# Altium PCB Austindetz_CM4_Board_v1.0.PcbDoc (part 3 of 6) (continued)
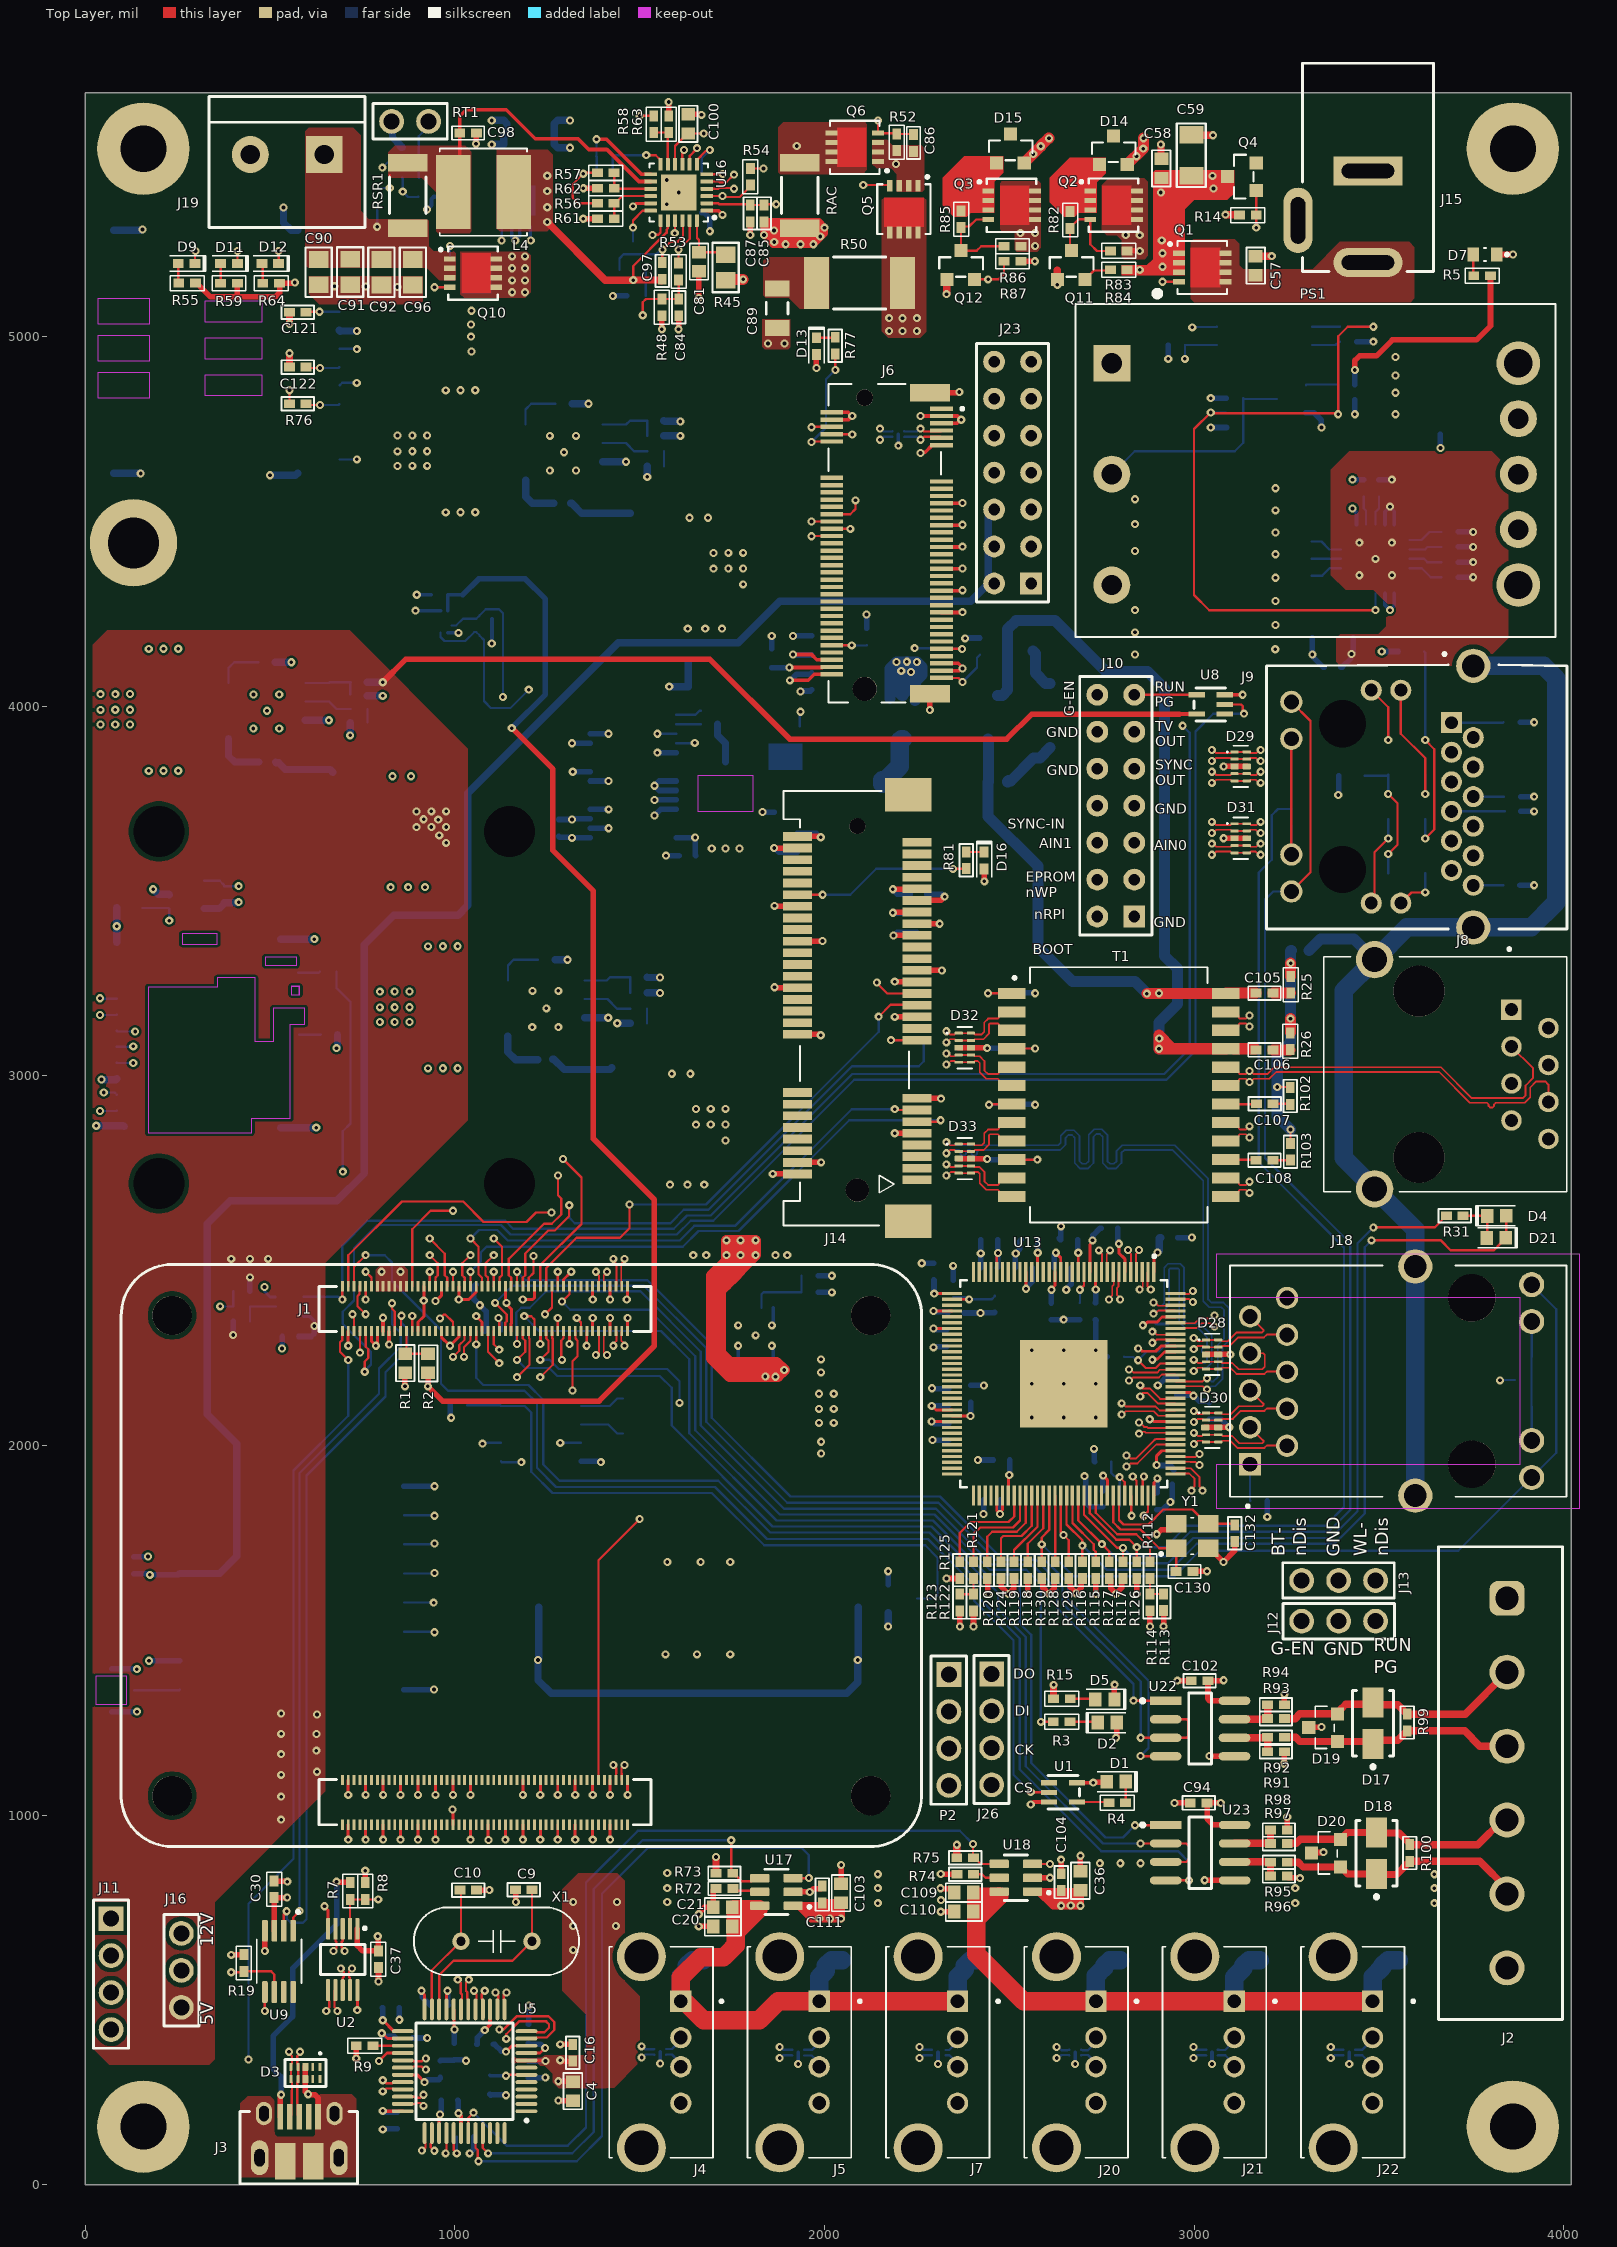
[diagram p0: Top Layer view]
## Nets (pads, with @x,y where several pads share a name; then routed paths per layer and width w, separated by ;. In a path a pad name is that pad's centre, name@x,y a point inside that pad or via, vN(x,y) a via of type N, cw(c..) or ccw(c..) an arc to the next point about the centre after c; other vN are vias at no path point) (continued)
  Top Layer w20: C122.2@552.47,4917.71 v1(552.47,4954.98) ; v1(552.47,5034.98) C121.2@552.47,5065.74 ; v1(2329.91,5114.98) 2330.29,5115.37 2330.29,5154 Q12.1@2331.21,5154.92 ; v1(2629.91,5139.98) 2629.91,5178.92 2630.11,5179.11 ; v1(2909.91,5519.98) 2910.29,5519.6 2910.29,5482.1 C58.2@2911.47,5480.93 ; C59.2@2992.37,5545.63 2993.02,5544.98 2993.34,5545.31 3050.53,5545.31 v1(3050.85,5544.98) ; v1(3084.91,5329.98) 3085.29,5329.6 3122.24,5329.6 R14.1@3122.69,5329.15 ; C57.2@3166.43,5217.78 v1(3209.91,5217.78)
  Bottom Layer w8: v1(484.91,2428.95) 484.91,2417.5 500.01,2402.4 U7.3@515.01,2402.4
  Bottom Layer w10: v1(893.66,4258.7) A1.8@941.2,4258.7 A1.9@960.88,4258.7 ; v1(896.76,4301.8) 901.76,4301.8 902.08,4301.47 C153.2@936.02,4301.47 ; A1.3@980.57,4198.66 v1(1009.89,4198.66) ; v1(1555.31,328.22) FL1.B1@1555.31,359.39 ; U14.8@1766.45,2223.51 v1(1766.45,2269.98) ; v1(1857.6,2269.98) 1860.94,2266.64 U14.5@1860.94,2223.51 ; v1(1857.6,2324.98) 1860.94,2328.33 U14.4@1860.94,2372.51 ; v1(1928.7,326.62) FL3.B1@1928.7,357.78 ; v1(2199.91,4704.98) FL5.B1@2199.91,4736.15 ; v1(2307.14,326.62) FL8.B1@2307.14,357.78 ; v1(2678.02,326.62) FL2.B1@2678.02,357.78 ; v1(3048.31,326.62) FL4.B1@3048.31,357.78 ; v1(3419.65,326.62) FL9.B1@3419.65,357.78 ; U3.12@3516.11,4305.86 3516.11,4273.78 v1(3529.91,4259.98) 3541.7,4271.77 U3.11@3541.7,4305.86
  Bottom Layer w15: J25.3@72.3,1279.81 139.73,1279.81 v1(139.91,1279.98) ; J25.1@72.3,1395.95 138.77,1395.95 v1(139.73,1394.98) ; C40.2@130.79,1698.61 168.29,1698.61 v1(169.67,1699.98) ; v1(172.61,1417.69) U24.10@255.88,1417.69 ; v1(532.35,2262.42) 532.47,2262.54 C13.2@532.47,2294.95 ; v1(804.91,149.98) 806.28,151.36 C5.2@844.03,151.36 ; C2.2@849.37,479.11 849.64,478.84 849.64,446.83 v1(849.91,446.56) ; U24.8@862.18,1338.95 942.43,1338.95 v1(943.47,1339.98) ; U24.1@862.18,1890.13 944.77,1890.13 v1(944.91,1889.98) ; C14.2@885.79,397.05 v1(924.91,397.05) ; v1(909.91,524.98) 911.25,523.64 911.25,507.94 933.33,485.86 C3.2@936.28,485.86 ; v1(959.91,189.98) 959.91,191.88 962.72,194.68 C6.2@962.72,228.83 ; C8.2@960.79,335.52 961.97,336.7 996.97,336.7 C7.2@998.15,337.89 1027.78,337.89 v1(1030.02,335.65) ; C22.2@987.47,2109.2 987.47,2079.32 989.91,2076.88 v1(989.91,2074.98) ; C1.2@1094.73,244.69 1097.03,242.38 1098.18,243.54 1137.2,243.54 v1(1138.35,242.38) ; C15.2@1104.48,379.71 1107.43,379.71 1125.63,361.51 1137.01,361.51 v1(1138.35,360.17) ; C19.2@1199.03,289.37 1244.12,289.37 v1(1244.74,289.98) ; C17.2@1199.21,434.17 1199.56,434.52 1199.56,484.63 v1(1199.91,484.98) ; C140.2@1280.79,3693.61 v1(1316.91,3693.61) 1318.69,3695.39 U25.3@1366.49,3695.39 ; v1(1316.91,3899.98) 1317.04,3900.12 U25.11@1366.49,3900.12 ; v1(1318.91,3822.98) 1319.27,3823.34 U25.8@1366.49,3823.34 ; U6.4@1341.49,1957.13 1392.76,1957.13 v1(1394.91,1954.98) ; U25.4@1366.49,3720.98 v1(1415.91,3720.98) ; U25.7@1366.49,3797.75 1415.45,3797.75 v1(1415.68,3797.98) ; U25.12@1366.49,3925.71 v1(1415.45,3925.71) ; v1(1427.39,5110.16) C101.2@1464.61,5110.16 ; v1(1539.91,3704.25) 1556.64,3720.98 U25.25@1598.77,3720.98 ; v1(1547.91,3874.53) U25.19@1598.77,3874.53 ; v1(1571.22,3595.86) C138.2@1606.28,3595.86 ; U25.23@1598.77,3772.16 1552.73,3772.16 v1(1539.91,3784.98) 1552.68,3797.75 U25.22@1598.77,3797.75 U25.22@1599.29,3797.23 ; Cttc.2@1667.74,5335.4 1673.79,5335.4 1689.91,5319.27 v1(1689.91,5284.98) ; C73.2@1856.7,4155.28 1856.7,4189.64 v1(1857.34,4190.28) ; v1(1863.77,3616.36) 1865.66,3616.36 1877.34,3604.69 C119.2@1926.12,3604.69 ; v1(1914.71,4190.28) C72.2@1965.09,4190.28 ; v1(1934.91,4039.98) 1936.25,4041.32 1961.7,4041.32 C71.2@1965.09,4044.71 ; R13.2@1983.3,2414.43 v1(2019.91,2414.43) ; v1(2184.91,3504.98) 2186.25,3503.64 2186.25,3501.54 2196.93,3490.86 C118.2@2231.28,3490.86 ; v1(2186.76,3379.98) 2188.65,3379.98 2197.08,3388.41 C120.2@2249.91,3388.41 ; v1(2262.91,2492.98) 2263,2493.08 C78.2@2295.64,2493.08 ; v1(2290.72,2154.98) 2292.1,2153.61 C61.2@2335.79,2153.61 ; v1(2292.1,2014.98) 2293.06,2014.02 C63.2@2335.42,2014.02 ; v1(2294.76,2265.66) 2296.7,2267.6 C69.2@2331.17,2267.6 ; C77.2@2378.34,2358.48 v1(2422.09,2358.48) 2423.09,2359.48 2459.59,2359.48 C136.2@2460.59,2360.48 ; v1(2380.45,4183.67) 2379.39,4184.73 R79.2@2420.46,4184.73 ; C62.2@2395.79,2162.51 v1(2431.03,2162.51) ; v1(2414.91,1960.86) C126.2@2456.28,1960.86 ; C70.2@2422.09,2481.26 2422.09,2519.3 v1(2422.67,2519.89) 2422.98,2520.19 2422.98,2556.56 C67.2@2423.28,2556.86 ; v1(2429.91,1814.98) 2431.09,1816.16 C125.2@2431.09,1853.74 ; v1(2439.91,2774.98) 2441.8,2774.98 2444.22,2772.57 C147.1@2485.35,2772.57 ; v1(2439.91,3074.98) 2440.35,3074.54 2478.96,3074.54 C145.1@2479.4,3074.11 ; C68.2@2516.58,2481.01 2516.58,2518.32 v1(2517.57,2519.3) 2517.57,2521.2 2528.58,2532.21 2528.58,2553.12 C64.2@2532.33,2556.86 ; C146.1@2531.56,2922.87 2569.03,2922.87 v1(2569.91,2921.99) ; C124.1@2531.56,3224.33 2569.03,3224.33 v1(2569.91,3223.45) ; C65.2@2613.15,2340.36 2646.82,2340.36 v1(2647.06,2340.6) R23.2@2690.36,2340.6 ; C54.2@2634.87,2560.23 C54.2@2638.24,2556.86 ; C54.2@2639.28,2556.86 2639.28,2592.36 v1(2639.91,2592.98) ; v1(2654.05,2421.51) 2654.05,2423.4 2667.32,2436.67 C66.2@2667.32,2480.45 ; v1(2703.54,1917.23) 2706.28,1914.49 C131.2@2706.28,1875.86 2706.28,1845.67 2718.1,1833.86 C137.2@2752.28,1833.86 ; v1(2724.91,2554.98) 2726.25,2556.32 2726.25,2568.78 2745.33,2587.86 C127.2@2748.28,2587.86 ; C60.2@2732.8,2340.6 C60.2@2733.24,2340.16 ; C60.2@2735.2,2338.19 C60.2@2733.24,2340.16 ; C135.2@2765.06,2239.7 2762.11,2239.7 2745.04,2256.78 2735.01,2256.78 v1(2733.67,2258.12) 2733.24,2258.55 C60.2@2733.24,2340.16 ; C134.2@2898.86,1825.63 C134.2@2899.59,1826.36 2915.01,1826.36 v1(2935.64,1846.98) 2935.64,1848.88 2940.36,1853.6 C133.2@2940.36,1895.64 ; v1(2901.56,2162.83) 2901.98,2162.83 2920.76,2181.61 C129.2@2952.79,2181.61 ; R69.1@2929.76,4977.04 2929.91,4976.89 2929.84,4976.81 2929.84,4940.06 v1(2929.91,4939.98) ; C53.2@2955.54,2562.11 2955.97,2562.54 2993.47,2562.54 v1(2993.91,2562.98) ; C128.2@3040.91,2070.71 3073.59,2070.71 v1(3094.91,2049.38) ; v1(3044.91,4754.18) R71.2@3087.58,4754.18 ; C148.1@3197.56,1849.86 3197.56,1807.33 v1(3197.91,1806.98) ; Q9.2@3302.4,4794.04 3324.06,4794.04 3344.39,4773.71 v1(3344.39,4754.18) ; R70.2@3434.8,4828.98 3434.88,4828.9 3434.84,4828.86 v1(3434.88,4790.06) v1(3434.88,4790.06) ; R68.1@3440.03,4986.46 v1(3484.91,4986.46) ; v1(3666.28,4698.61) C76.2@3666.28,4735.86 ; C141.1@3881.56,3515.86 v1(3919.91,3515.86) ; C143.1@3882.28,3956.71 v1(3919.91,3956.71) ; C144.1@3883.89,3715.69 v1(3919.91,3715.69) ; C142.1@3883.89,3755.46 v1(3919.91,3755.46)
  Bottom Layer w20: v1(29.91,2864.98) 30.29,2864.6 102.61,2864.6 102.99,2864.98 J24.SH@105.01,2862.96 ; v1(44.23,2989.98) 83.21,2989.98 J24.6@85.33,2992.1 ; J17.SH@77.26,4630.76 148.59,4630.76 149.37,4629.98 v1(149.91,4629.98) ; J17.SH@77.26,5287.45 151.84,5287.45 154.37,5289.98 v1(154.91,5289.98) ; C93.2@84.97,3454.5 84.97,3405.34 v1(85.33,3404.98) 85.33,3361.98 J24.SH@85.92,3361.39 ; v1(183.77,3504.98) 197.64,3491.12 226.28,3491.12 U19.2@227.1,3490.29 ; v1(499.91,4624.98) 568.73,4624.98 J17.SH@574.51,4630.76 ; C48.2@513.45,4119.04 v1(557.66,4119.04) ; J24.SH@528.83,2859.81 v1@624.74,2859.81 ; J24.SH@528.83,3370.05 619.84,3370.05 v1(619.91,3369.98) ; v1(536.42,5349.59) 536.42,5308.16 557.13,5287.45 J17.SH@574.51,5287.45 ; U4.7@595.64,3962.69 596.23,3962.1 596.52,3962.39 658.86,3962.39 v1(659.15,3962.1) ; J17.C5@687.69,5017.57 690.28,5014.98 690.66,5015.37 734.53,5015.37 v1(734.91,5014.98) ; v1(716.68,3921.21) C52.2@716.68,3956.17 ; R101.2@763.38,4028.22 v1(804.82,4028.22) ; v1(1099.91,5520.04) 1132.04,5520.04 1132.04,5541.09 R66.2@1140.93,5549.98 1140.93,5576.09 1132.04,5584.98 v1(1099.91,5584.98) ; C56.2@1270.92,3314.16 v1(1304.91,3314.16) ; C39.2@1317.05,4818.44 v1(1361.26,4818.44) ; U11.7@1351.44,3157.8 1352.03,3157.22 1352.32,3157.51 1414.66,3157.51 v1(1414.95,3157.22) ; U10.7@1399.25,4662.08 1399.83,4661.5 1400.12,4661.79 1462.46,4661.79 v1(1462.75,4661.5) ; v1(1439.14,3142.24) 1439.24,3142.35 1474.37,3142.35 C55.2@1474.48,3142.45 ; R29.2@1519.67,3224.43 v1(1554.91,3224.43) ; v1(1520.29,4620.6) C38.2@1520.29,4649.69 ; R22.2@1565.48,4731.37 1565.56,4731.45 1565.6,4731.41 v1(1609.91,4731.45) v1(1609.91,4731.45)
  other v1: 2144.35,761.84 3273.52,761.84 3649.91,761.84 1574.71,765.2 2314.91,769.98 1574.71,802.59 2144.35,802.59 3273.52,802.59 3649.91,802.59 2144.35,839.98 3649.91,839.98 1574.71,843.34 2744.91,869.98 2800.5,869.98 2854.91,869.98 1569.91,1434.98 1654.91,1434.98 1744.91,1434.98 1574.91,1684.98 1664.91,1684.98 1744.91,1684.98 1990.91,1978.21 1990.91,2010.03 2560.45,2075.9 2647.06,2075.9 2733.67,2075.9 2560.45,2167.01 2647.06,2167.01 2733.67,2167.01 1990.26,2198.02 1990.26,2233.02 2560.45,2258.12 2647.06,2258.12 1813.7,2298.01 1766.45,2324.98 1644.91,2514.98 1679.91,2514.98 1867.44,2514.98 1899.25,2514.98 1582.1,2705.7 1629.43,2705.7 1674.71,2705.7 624.91,2859.98 1587.1,3005.7 1637.1,3005.7 927.46,3020.4 967.46,3020.7 1007.46,3020.7 1209.29,3131.98 1279.91,3131.98 1247.46,3182.8 1209.86,3229.98 1279.91,3229.98 927.46,3350.4 967.46,3350.7 1007.46,3350.7 826.3,3510.59 873.63,3510.59 918.9,3510.59 831.3,3810.59 881.3,3810.59 171.66,3825.28 211.66,3825.59 251.66,3825.59 454.76,3939.98 524.91,3939.98 491.66,3987.69 455.24,4031.97 524.91,4031.97 2839.91,4139.98 171.66,4155.28 211.66,4155.59 251.66,4155.59 2839.91,4199.98 1629.91,4209.98 1677.23,4209.98 1722.51,4209.98 2839.91,4259.98 2839.91,4419.98 2839.91,4492.78 1634.91,4509.98 1684.91,4509.98 975.26,4524.68 1015.26,4524.98 1055.26,4524.98 2839.91,4559.98 1257.01,4637.88 1327.51,4637.88 1295.26,4687.08 1257.01,4731.45 1327.51,4731.45 3544.91,4790.1 3544.91,4848.03 975.26,4854.68 1015.26,4854.98 1055.26,4854.98 3544.91,4894.98 3544.91,4944.98 1846.89,4981.52 1891.89,4981.52 1572.83,5358.19 1605.66,5390.11 1572.83,5423.63
GPIO-VREF: J1.78 R1.1 R2.1 | length 123.9
  Top Layer w6.16: J1.78@868.89,2309.51 868.89,2251.51 R1.1@865.9,2248.52 926.98,2248.52 R2.1@927.41,2248.09
HD1_N: FL1.A2 U5.18 | length 856.3
  Top Layer w6.23: U5.18@1036.17,474.52 1036.17,499.93 1033.44,502.65 1033.44,520.88 1029.93,524.39 1029.93,547.1 v1(1037.82,554.98)
  03_SIg1 w5.66: v1(1037.82,554.98) 1029.65,546.81 1029.65,489.98 1060.99,458.64 1516.25,458.64 1524.25,450.64 1545.57,429.33 1553.57,421.32 1553.57,370.56 1535.57,352.56 1513.48,352.56 v1(1505.31,344.39)
  Bottom Layer w6.23: v1(1505.31,344.39) 1509.94,344.39 1509.94,346.97 1515.24,352.27 1536.14,352.27 1536.18,352.23 1538.84,352.23 FL1.A2@1539.56,351.51
HD1_P: FL1.A1 U5.19 | length 833.6
  Top Layer w6.23: v1(1007.82,554.98) 1015.7,547.1 1015.7,518.49 1019.21,514.98 1019.21,502.66 1016.49,499.93 U5.19@1016.49,474.53
  03_SIg1 w5.66: v1(1007.82,554.98) 1015.99,546.81 1015.99,484.33 1055.33,444.98 1510.59,444.98 1539.91,415.67 1539.91,376.22 1529.91,366.22 1513.48,366.22 v1(1505.31,374.39)
  Bottom Layer w6.23: v1(1505.31,374.39) 1509.94,374.39 1509.94,371.8 1515.24,366.5 1536.14,366.5 1536.18,366.54 1538.84,366.54 FL1.A1@1539.56,367.26
HD2_N: FL3.A2 U5.16 | length 1091.2
  Top Layer w6.23: U5.16@1075.54,474.52 1075.54,499.93 1072.81,502.65 1072.81,515.49 1080.7,523.37 v1(1080.7,524.98)
  03_SIg1 w5.66: v1(1080.7,524.98) 1072.53,533.15 1072.53,567.6 1089.91,584.98 1185.59,584.98 1269.25,501.32 1531.25,501.32 1576.25,546.32 1643.88,546.32 1839.25,350.95 1870.53,350.95 v1(1878.7,342.78)
  Bottom Layer w6.23: v1(1878.7,342.78) 1883.33,342.78 1883.33,345.37 1888.64,350.67 1909.53,350.67 1909.57,350.63 1912.23,350.63 FL3.A2@1912.95,349.91
HD2_P: FL3.A1 U5.17 | length 1113.1
  Top Layer w6.23: v1(1051.56,524.98) 1051.56,522.3 1058.58,515.27 1058.58,502.66 1055.86,499.93 U5.17@1055.86,474.53
  03_SIg1 w5.66: v1(1051.56,524.98) 1051.56,525.84 1058.87,533.15 1058.87,573.26 1084.25,598.64 1191.25,598.64 1274.91,514.98 1525.59,514.98 1566.59,555.98 1570.59,559.98 1649.54,559.98 1844.91,364.61 1870.53,364.61 v1(1878.7,372.78)
  Bottom Layer w6.23: v1(1878.7,372.78) 1883.33,372.78 1883.33,370.2 1888.64,364.9 1909.53,364.9 1909.57,364.94 1912.23,364.94 FL3.A1@1912.95,365.66
HD3_N: FL8.A2 U5.13 | length 1375.4
  Top Layer w6.23: U5.13@1134.6,474.53 1134.6,499.93 1131.87,502.66 1131.87,513.24 1138.61,519.98 v1(1139.91,519.98)
  04_SIg2 w5.66: v1(1139.91,519.98) 1139.91,520.86 1131.74,529.03 1131.74,571.81 1144.91,584.98 1185.59,584.98 1195.59,574.98 1329.25,441.32 2042.89,441.32 2133.27,350.95 2248.1,350.95 2256.27,342.78 v1(2257.14,342.78)
  Bottom Layer w6.23: v1(2257.14,342.78) 2261.78,342.78 2261.78,345.37 2267.08,350.67 2287.97,350.67 2288.01,350.63 FL8.A2@2290.67,350.63
HD3_P: FL8.A1 U5.14 | length 1397.8
  Top Layer w6.23: v1(1109.91,519.98) 1111.05,519.98 1117.64,513.4 1117.64,502.66 1114.91,499.93 U5.14@1114.91,474.52
  04_SIg2 w5.66: v1(1109.91,519.98) 1109.91,520.86 1118.08,529.03 1118.08,577.47 1139.25,598.64 1191.25,598.64 1210.08,579.81 1214.91,574.98 1334.91,454.98 2048.55,454.98 2138.92,364.61 2248.1,364.61 2256.27,372.78 v1(2257.14,372.78)
  Bottom Layer w6.23: v1(2257.14,372.78) 2261.78,372.78 2261.78,370.2 2267.08,364.9 2287.97,364.9 2288.01,364.94 FL8.A1@2290.67,364.94
HD4_N: FL2.A2 U5.11 | length 2171.6
  Top Layer w6.23: v1(1120.43,419.96) 1121.55,421.09 1132.72,421.09 1167.91,456.28 1252.75,456.28 1268.97,440.06 1268.97,418.92 1248.57,398.52 1221.78,398.52 1219.04,395.78 U5.11@1193.64,395.78
  04_SIg2 w5.66: v1(1120.43,419.96) 1119.07,418.6 1119.07,407.79 1115.06,403.79 1091.83,380.56 1091.83,201.35 1099.84,193.35 1113.86,179.33 1121.86,171.32 1311.25,171.32 1402.46,262.54 2477.46,262.54 2565.88,350.95 2618.98,350.95 2627.15,342.78 v1(2628.02,342.78)
  Bottom Layer w6.23: v1(2628.02,342.78) 2632.65,342.78 2641.21,351.34 2657.22,351.34 2657.67,350.89 2661.29,350.89 FL2.A2@2662.27,349.91
HD4_P: FL2.A1 U5.12 | length 2080
  Top Layer w6.23: v1(1138.97,394.75) 1138.97,407.21 1173.81,442.05 1246.85,442.05 1254.74,434.17 1254.74,424.81 1242.67,412.75 1221.78,412.75 1219.04,415.48 U5.12@1193.64,415.48
  04_SIg2 w5.66: v1(1138.97,394.75) v1(1138.97,394.75) 1125.39,394.8 1105.49,374.9 1105.49,207.01 1127.52,184.98 1305.59,184.98 1396.8,276.2 2471.8,276.2 2560.22,364.61 2618.98,364.61 2627.15,372.78 v1(2628.02,372.78)
  Bottom Layer w6.23: v1(2628.02,372.78) 2632.65,372.78 2641.21,364.22 2657.22,364.22 2657.67,364.68 2661.29,364.68 FL2.A1@2662.27,365.66
HD5_N: FL4.A2 U5.32 | length 2737.3
  Top Layer w6.23: v1(804.91,282.84) 806.52,282.84 814.41,274.95 830.88,274.95 833.6,277.68 U5.32@859.01,277.68
  04_SIg2 w5.66: v1(804.91,282.84) 796.74,274.67 776.89,274.67 764.41,262.18 764.41,135.79 772.41,127.78 786.21,113.99 794.21,105.98 825.57,105.98 845.91,126.32 1341.25,126.32 1414.91,199.98 1539.91,199.98 1579.91,159.98 1654.91,159.98 1658.91,163.98 1680.25,185.32 1925.25,185.32 1946.59,163.98 1950.59,159.98 2014.91,159.98 2049.91,194.98 2290.59,194.98 2321.59,163.98 2325.59,159.98 2414.91,159.98 2449.91,194.98 2665.59,194.98 2697.57,163 2701.57,159 2768.93,159 2929.91,319.98 2960.88,350.95 2990.14,350.95 v1(2998.31,342.78)
  Bottom Layer w6.23: v1(2998.31,342.78) 3002.94,342.78 3002.94,345.37 3008.24,350.67 3029.13,350.67 3029.17,350.63 3031.84,350.63 FL4.A2@3032.56,349.91
HD5_P: FL4.A1 U5.33 | length 2692.1
  Top Layer w6.23: v1(804.91,252.84) 806.52,252.84 814.41,260.72 830.88,260.72 833.6,258 U5.33@859.01,258
  04_SIg2 w5.66: v1(804.91,252.84) 796.74,261.01 782.55,261.01 778.07,256.53 778.07,141.44 799.87,119.64 819.91,119.64 840.25,139.98 1335.59,139.98 1409.25,213.64 1545.57,213.64 1585.57,173.64 1649.25,173.64 1670.59,194.98 1674.59,198.98 1930.91,198.98 1934.91,194.98 1956.25,173.64 2009.25,173.64 2044.25,208.64 2296.25,208.64 2331.25,173.64 2409.25,173.64 2444.25,208.64 2671.25,208.64 2707.23,172.66 2763.27,172.66 2955.22,364.61 2990.14,364.61 v1(2998.31,372.78)
  Bottom Layer w6.23: v1(2998.31,372.78) 3002.94,372.78 3002.94,370.2 3008.24,364.9 3029.13,364.9 3029.17,364.94 3031.84,364.94 FL4.A1@3032.56,365.66
HD6_N: FL9.A2 U5.34 | length 3003.9
  Top Layer w6.23: U5.34@859.01,238.31 891.65,238.31 894.37,235.58 907.02,235.58 v1(914.91,243.47)
  03_SIg1 w5.66: v1(914.91,243.47) 906.74,235.3 873.5,235.3 856.25,218.05 856.25,159.54 884.47,131.32 1321.25,131.32 1384.91,194.98 1535.59,194.98 1584.25,146.32 1641.25,146.32 1684.91,189.98 1925.59,189.98 1959.25,156.32 2016.25,156.32 2059.91,199.98 2285.59,199.98 2329.25,156.32 2391.25,156.32 2429.91,194.98 2660.59,194.98 2694.25,161.32 2821.25,161.32 2854.91,194.98 3035.59,194.98 3065.59,164.98 3148.94,164.98 3334.91,350.95 3361.48,350.95 v1(3369.65,342.78)
  Bottom Layer w6.23: v1(3369.65,342.78) 3374.28,342.78 3374.28,345.37 3379.58,350.67 3400.47,350.67 3400.51,350.63 3403.18,350.63 FL9.A2@3403.9,349.91
HD6_P: FL9.A1 U5.35 | length 2958.6
  Top Layer w6.23: U5.35@859.01,218.63 891.65,218.63 894.37,221.35 907.02,221.35 v1(914.91,213.47)
  03_SIg1 w5.66: v1(914.91,213.47) 906.74,221.64 879.15,221.64 869.91,212.39 869.91,165.2 890.13,144.98 1315.59,144.98 1379.25,208.64 1541.25,208.64 1589.91,159.98 1635.59,159.98 1679.25,203.64 1931.25,203.64 1964.91,169.98 2010.59,169.98 2054.25,213.64 2291.25,213.64 2334.91,169.98 2385.59,169.98 2424.25,208.64 2666.25,208.64 2699.91,174.98 2815.59,174.98 2849.25,208.64 3041.25,208.64 3071.25,178.64 3143.28,178.64 3329.25,364.61 3361.48,364.61 v1(3369.65,372.78)
  Bottom Layer w6.23: v1(3369.65,372.78) 3374.28,372.78 3374.28,370.2 3379.58,364.9 3400.47,364.9 3400.51,364.94 3403.18,364.94 FL9.A1@3403.9,365.66
HD7_N: FL5.A2 U5.37 | length 6282.8
  Top Layer w6.23: v1(910.78,92.69) 912.38,92.69 920.78,101.09 920.78,111.75 918.05,114.48 U5.37@918.05,139.89
  04_SIg2 w5.66: v1(910.78,92.69) 920.83,82.65 920.83,74.98 910.83,64.98 761.23,64.98 739.91,86.3 739.91,254.3 624.91,369.3 624.91,589.3 469.91,744.3 469.91,2294.98 598.57,2423.64 598.57,3097.52 768.57,3267.52 768.57,4238.64 974.91,4444.98 1439.23,4444.98 1589.23,4594.98 1989.61,4594.98 2123.95,4729.32 2141.74,4729.32 v1(2149.91,4721.15)
  Bottom Layer w6.23: v1(2149.91,4721.15) 2151.52,4721.15 2159.41,4729.03 2180.74,4729.03 2180.77,4729 2183.44,4729 FL5.A2@2184.16,4728.28
HD7_P: FL5.A1 U5.38 | length 6349.9
  Top Layer w6.23: U5.38@937.74,139.89 937.74,114.49 935.01,111.76 935.01,101.02 944.1,91.93 v1(944.53,91.93)
  04_SIg2 w5.66: v1(944.53,91.93) 934.49,81.88 934.49,69.33 916.48,51.32 755.57,51.32 726.25,80.65 726.25,248.64 611.25,363.64 611.25,583.64 456.25,738.64 456.25,2300.64 584.91,2429.3 584.91,3103.18 754.91,3273.18 754.91,4244.3 969.25,4458.64 1433.57,4458.64 1583.57,4608.64 1983.95,4608.64 2118.29,4742.98 2141.74,4742.98 v1(2149.91,4751.15)
  Bottom Layer w6.23: v1(2149.91,4751.15) 2151.52,4751.15 2159.41,4743.26 2180.74,4743.26 2180.77,4743.3 2183.44,4743.3 FL5.A1@2184.16,4744.02
HI: C106.1 L5.3 R148.2 T1.21 | length 2043.1
  Top Layer w30: T1.21@3085.74,3073.45 2938.09,3073.45 ; T1.21@3108.14,3073.48 C106.1@3164.49,3073.48 ; 2938.09,3073.45 v1(2904.91,3073.45) 2904.91,3109.98 2938.09,3076.81 2938.09,3073.45
  Bottom Layer w30: L5.3@2467.86,4029.04 2481.01,4029.04 2495.51,4043.54 R148.2@2495.51,4149.18 2495.51,4208.83 2518.85,4232.17 2623.85,4232.17 2762.02,4094 2873.98,4094 2919.91,4048.07 2919.91,3324.98 2954.91,3289.98 2954.91,3194.98 2904.91,3144.98 v1(2904.91,3073.45)
  other v1: 2905.56,3101.33
HIDRV: Q8.G U16.21 | length 721.1
  Top Layer w6.16: v1(1594.91,5279.98) 1595.37,5280.44 1595.37,5313.47 U16.21@1595.82,5313.93
  03_SIg1 w5.61: v1(986.91,5244.98) 1011.02,5269.09 1060.8,5269.09 1094.15,5235.74 1522.72,5235.74 1543.76,5256.79 1571.71,5256.79 v1(1594.91,5279.98)
  Bottom Layer w6.16: Q8.G@986.91,5208.37 v1(986.91,5244.98)
ID-SC: J1.35 J23.1 | length 2536.2
  Top Layer w6.16: J1.35@1199.6,2430.77 1199.6,2453.76 1212.54,2466.71 v1(1212.54,2512.84)
  03_SIg1 w5.61: v1(1212.54,2512.84) 1260.76,2512.84 1397.86,2649.93 1397.86,2903.91 1935.79,3441.85 2010.07,3441.85 2498.11,3929.89 2498.11,4271.43 J23.1@2558.85,4332.17
ID-SD: J1.36 J23.3 | length 3155
  Top Layer w6.16: v1(1168.1,2184.98) 1201.84,2218.72 1201.84,2288.59 1200.45,2289.98 1200.45,2308.66 J1.36@1199.6,2309.51
  03_SIg1 w5.61: v1(1168.1,2184.98) 1119.49,2184.98 1092.02,2212.46 1092.02,2272.35 1151.02,2331.35 1151.02,2344.06 1178.75,2371.79 1191.22,2371.79 1205.39,2385.96 1205.39,2446.59 1190.74,2461.24 1190.74,2540.19 1202.54,2551.98 1271.91,2551.98 1384.26,2664.34 1384.26,2909.5 1934.75,3459.98 2008.05,3459.98 2483.04,3934.98 2483.04,4281.63 2508.85,4307.44 2508.85,4397.14 ; 2512.88,4401.17 2508.85,4397.14 ; J23.3@2542.71,4431 2508.85,4397.14
IO4: J1.54 U23.4 | length 3045.2
  Top Layer w6.16: v1(1057.86,2273.58) J1.54@1057.86,2309.51 ; U23.4@2923.19,823.53 v1(2986.36,823.53)
  Bottom Layer w6.16: v1(1057.86,2273.58) 1057.86,2183.03 1077.04,2163.85 1198.98,2163.85 1239.17,2123.65 1239.17,1948.78 1282.97,1904.98 1712.72,1904.98 1853.11,1764.6 2283.75,1764.6 2420.96,1627.39 2420.96,1584.87 2527.98,1477.84 2527.98,1123.2 2748.51,902.68 2956.37,902.68 2986.36,872.69 v1(2986.36,823.53)
IO5: J1.34 U23.1 | length 2783.7
  Top Layer w6.16: v1(1187.78,2349.98) 1206.41,2349.98 1215.34,2341.05 J1.34@1215.34,2309.51 ; v1(2840.21,972.56) 2922.22,972.56 U23.1@2923.19,973.53
  Bottom Layer w6.16: v1(1187.78,2349.98) 1227.78,2309.98 1557.72,2309.98 1634.12,2233.58 1634.12,2032.89 1869.87,1797.15 2293.21,1797.15 2439.01,1651.35 2509.1,1651.35 2528.1,1632.35 2528.1,1518.69 2559.09,1487.7 2559.09,1140.8 2760.17,939.73 2807.38,939.73 v1(2840.21,972.56)
IO8: J1.39 U22.4 | length 2629.9
  Top Layer w6.16: J1.39@1168.1,2430.77 v1(1168.1,2469.98) ; v1(2854.91,1159.98) 2855.57,1159.32 U22.4@2922.88,1159.32
  Bottom Layer w6.16: v1(1168.1,2469.98) 1191.24,2446.84 1521.33,2446.84 1694.83,2273.34 1694.83,2075.06 1907.69,1862.2 2312.17,1862.2 2468.24,1706.13 2580.25,1706.13 2658.65,1627.73 2658.65,1581.24 2876.42,1363.47 2876.42,1181.49 v1(2854.91,1159.98)
IO9: J1.40 U22.1 | length 2532.4
  Top Layer w6.16: v1(1168.1,2274.62) J1.40@1168.1,2309.51 ; v1(2835.77,1309.86) 2922.34,1309.86 U22.1@2922.88,1309.32
  Bottom Layer w6.16: v1(1168.1,2274.62) 1165.7,2277.01 1165.7,2359.13 1179.48,2372.9 1202.83,2372.9 1246.99,2417.06 1501.9,2417.06 1665.13,2253.83 1665.13,2054.06 1890.23,1828.96 2301.92,1828.96 2452.51,1678.37 2561.1,1678.37 2629.77,1609.7 2629.77,1560.5 2835.77,1354.5 v1(2835.77,1309.86)
IO10: J1.44 U22.2 U22.3 | length 2830.6
  Top Layer w6.16: v1(1109.04,2385.95) 1109.04,2385.59 1140.18,2354.45 1140.18,2335.84 1136.6,2332.26 J1.44@1136.6,2309.51 ; v1(2855.25,1209.32) U22.3@2922.88,1209.32 2979.7,1209.32 2983.57,1213.19 2983.57,1255.71 2979.96,1259.32 U22.2@2922.88,1259.32
  Bottom Layer w6.16: v1(1109.04,2385.95) 1109.04,2386.31 1155.26,2432.52 1511.04,2432.52 1679.91,2263.65 1679.91,2064.62 1899.37,1845.16 2308.21,1845.16 2462.58,1690.78 2572.18,1690.78 2644.16,1618.81 2644.16,1572.57 2855.25,1361.48 v1(2855.25,1209.32)
IO11: J1.38 U23.2 U23.3 | length 2843.8
  Top Layer w6.16: v1(1168.1,2231.8) 1190.18,2253.88 1190.18,2283.76 1183.85,2290.09 J1.38@1183.85,2309.51 ; v1(2854.91,923.53) U23.2@2923.19,923.53 2978.44,923.53 2986.36,915.6 2986.36,881.42 2978.47,873.53 U23.3@2923.19,873.53
  Bottom Layer w6.16: v1(1168.1,2231.8) 1190.18,2209.72 1255.18,2209.72 1276.78,2188.12 1554.48,2188.12 1586.58,2156.02 1586.58,2054.19 1859.59,1781.18 2289.41,1781.18 2469.91,1600.68 2469.91,1556.56 2544.36,1482.11 2544.36,1132.62 2753.45,923.53 v1(2854.91,923.53)
IO13: J1.28 J23.7 | length 3473.6
  Top Layer w6.16: v1(1231.09,2184.98) 1264.83,2218.72 1264.83,2288.59 1263.44,2289.98 1263.44,2308.66 J1.28@1262.59,2309.51
  03_SIg1 w5.61: v1(1231.09,2184.98) 1209.29,2163.18 1125.59,2163.18 1080.91,2207.85 1080.91,2276.95 1139.91,2335.95 1139.91,2348.66 1161.71,2370.46 1161.71,2424.09 1146.29,2439.51 1146.29,2526.83 1193.45,2573.98 1264.52,2573.98 1368.91,2678.38 1368.91,2910.98 1976.16,3518.24 2044.36,3518.24 2417.46,3891.34 2417.46,4562.79 2435.18,4580.51 2492.22,4580.51 J23.7@2542.71,4631
IO14: J1.55 J14.11 | length 1560.6
  Top Layer w6.16: J1.55@1042.12,2430.77 v1(1042.12,2469.98) ; J14.11@2250.26,2876.21 2310.34,2876.21 v1(2314.12,2879.98)
  Bottom Layer w6.16: v1(1042.12,2469.98) 1070.03,2497.9 1070.03,2522.1 1085.83,2537.9 1616.77,2537.9 1659.07,2580.2 1767.13,2580.2 2066.91,2879.98 v1(2314.12,2879.98)
IO15: J1.51 J14.13 | length 1519.6
  Top Layer w6.16: v1(1042.12,2559.98) 1064.2,2537.9 1064.2,2463.18 1073.61,2453.76 J1.51@1073.61,2430.77 ; v1(2189.91,2909.98) 2192.19,2907.7 J14.13@2250.26,2907.7
  Bottom Layer w6.16: v1(1042.12,2559.98) 1065.12,2582.98 1114.74,2582.98 1142.79,2554.93 1608.23,2554.93 1647.5,2594.21 1758.14,2594.21 2073.91,2909.98 v1(2189.91,2909.98)
IO16: J1.29 J14.23 | length 1409.8
  Top Layer w6.16: J1.29@1246.84,2430.77 1246.84,2479.91 1329.06,2562.13 1446.74,2562.13 1472.53,2587.92 v1(1472.53,2651.83) ; v1(2146.52,3160.28) 2178.75,3192.51 2248.93,3192.51 J14.23@2250.26,3191.17
  Bottom Layer w6.16: v1(1472.53,2651.83) 1679.22,2651.83 2146.52,3119.14 v1(2146.52,3160.28)
IO17: J1.50 J14.25 | length 1970.7
  Top Layer w6.16: J1.50@1089.36,2309.51 1089.36,2253.53 v1(1119.91,2222.98) ; v1(2141.57,3252.43) 2141.57,3251.02 2169.93,3222.66 J14.25@2250.26,3222.66
  03_SIg1 w5.61: v1@1120.28,2223.35 1132.74,2210.89 1239.02,2210.89 1247.28,2202.63 1437.88,2202.63 1491.61,2256.35 1491.61,2491.28 1787.06,2786.74 1787.06,3038.27 1996.39,3247.6 2132.3,3247.6 2137.14,3252.43 v1(2141.57,3252.43)
ISET1: R58.2 R63.1 U16.11 | length 127.2
  Top Layer w6.16: R58.2@1537.87,5552.12 1537.9,5552.08 R63.1@1578.33,5552.08 1576.14,5549.88 U16.11@1576.14,5466.29
ISET2: R57.2 R62.1 U16.15 | length 140.6
  Top Layer w6.16: R57.2@1430.97,5443.07 1430.97,5401.68 R62.1@1431.05,5401.6 1432.7,5399.95 U16.15@1529.48,5399.95
ISET3: R56.2 R61.1 U16.16 | length 148.5
  Top Layer w6.16: R61.1@1431.05,5318.99 1431.05,5361.11 1433.85,5361.11 1453.01,5380.27 U16.16@1529.48,5380.27